# Altium PCB openservo_tessellated.PcbDoc (part 7 of 13)
Units mm, origin at the board's own origin, x right, y up, seen from the top; angles counter-clockwise.
Board outline 225 x 202.5 mm, 2 copper layers (Top Layer, Bottom Layer); 1250 components, 19 nets, 5300 pads, 1100 vias.
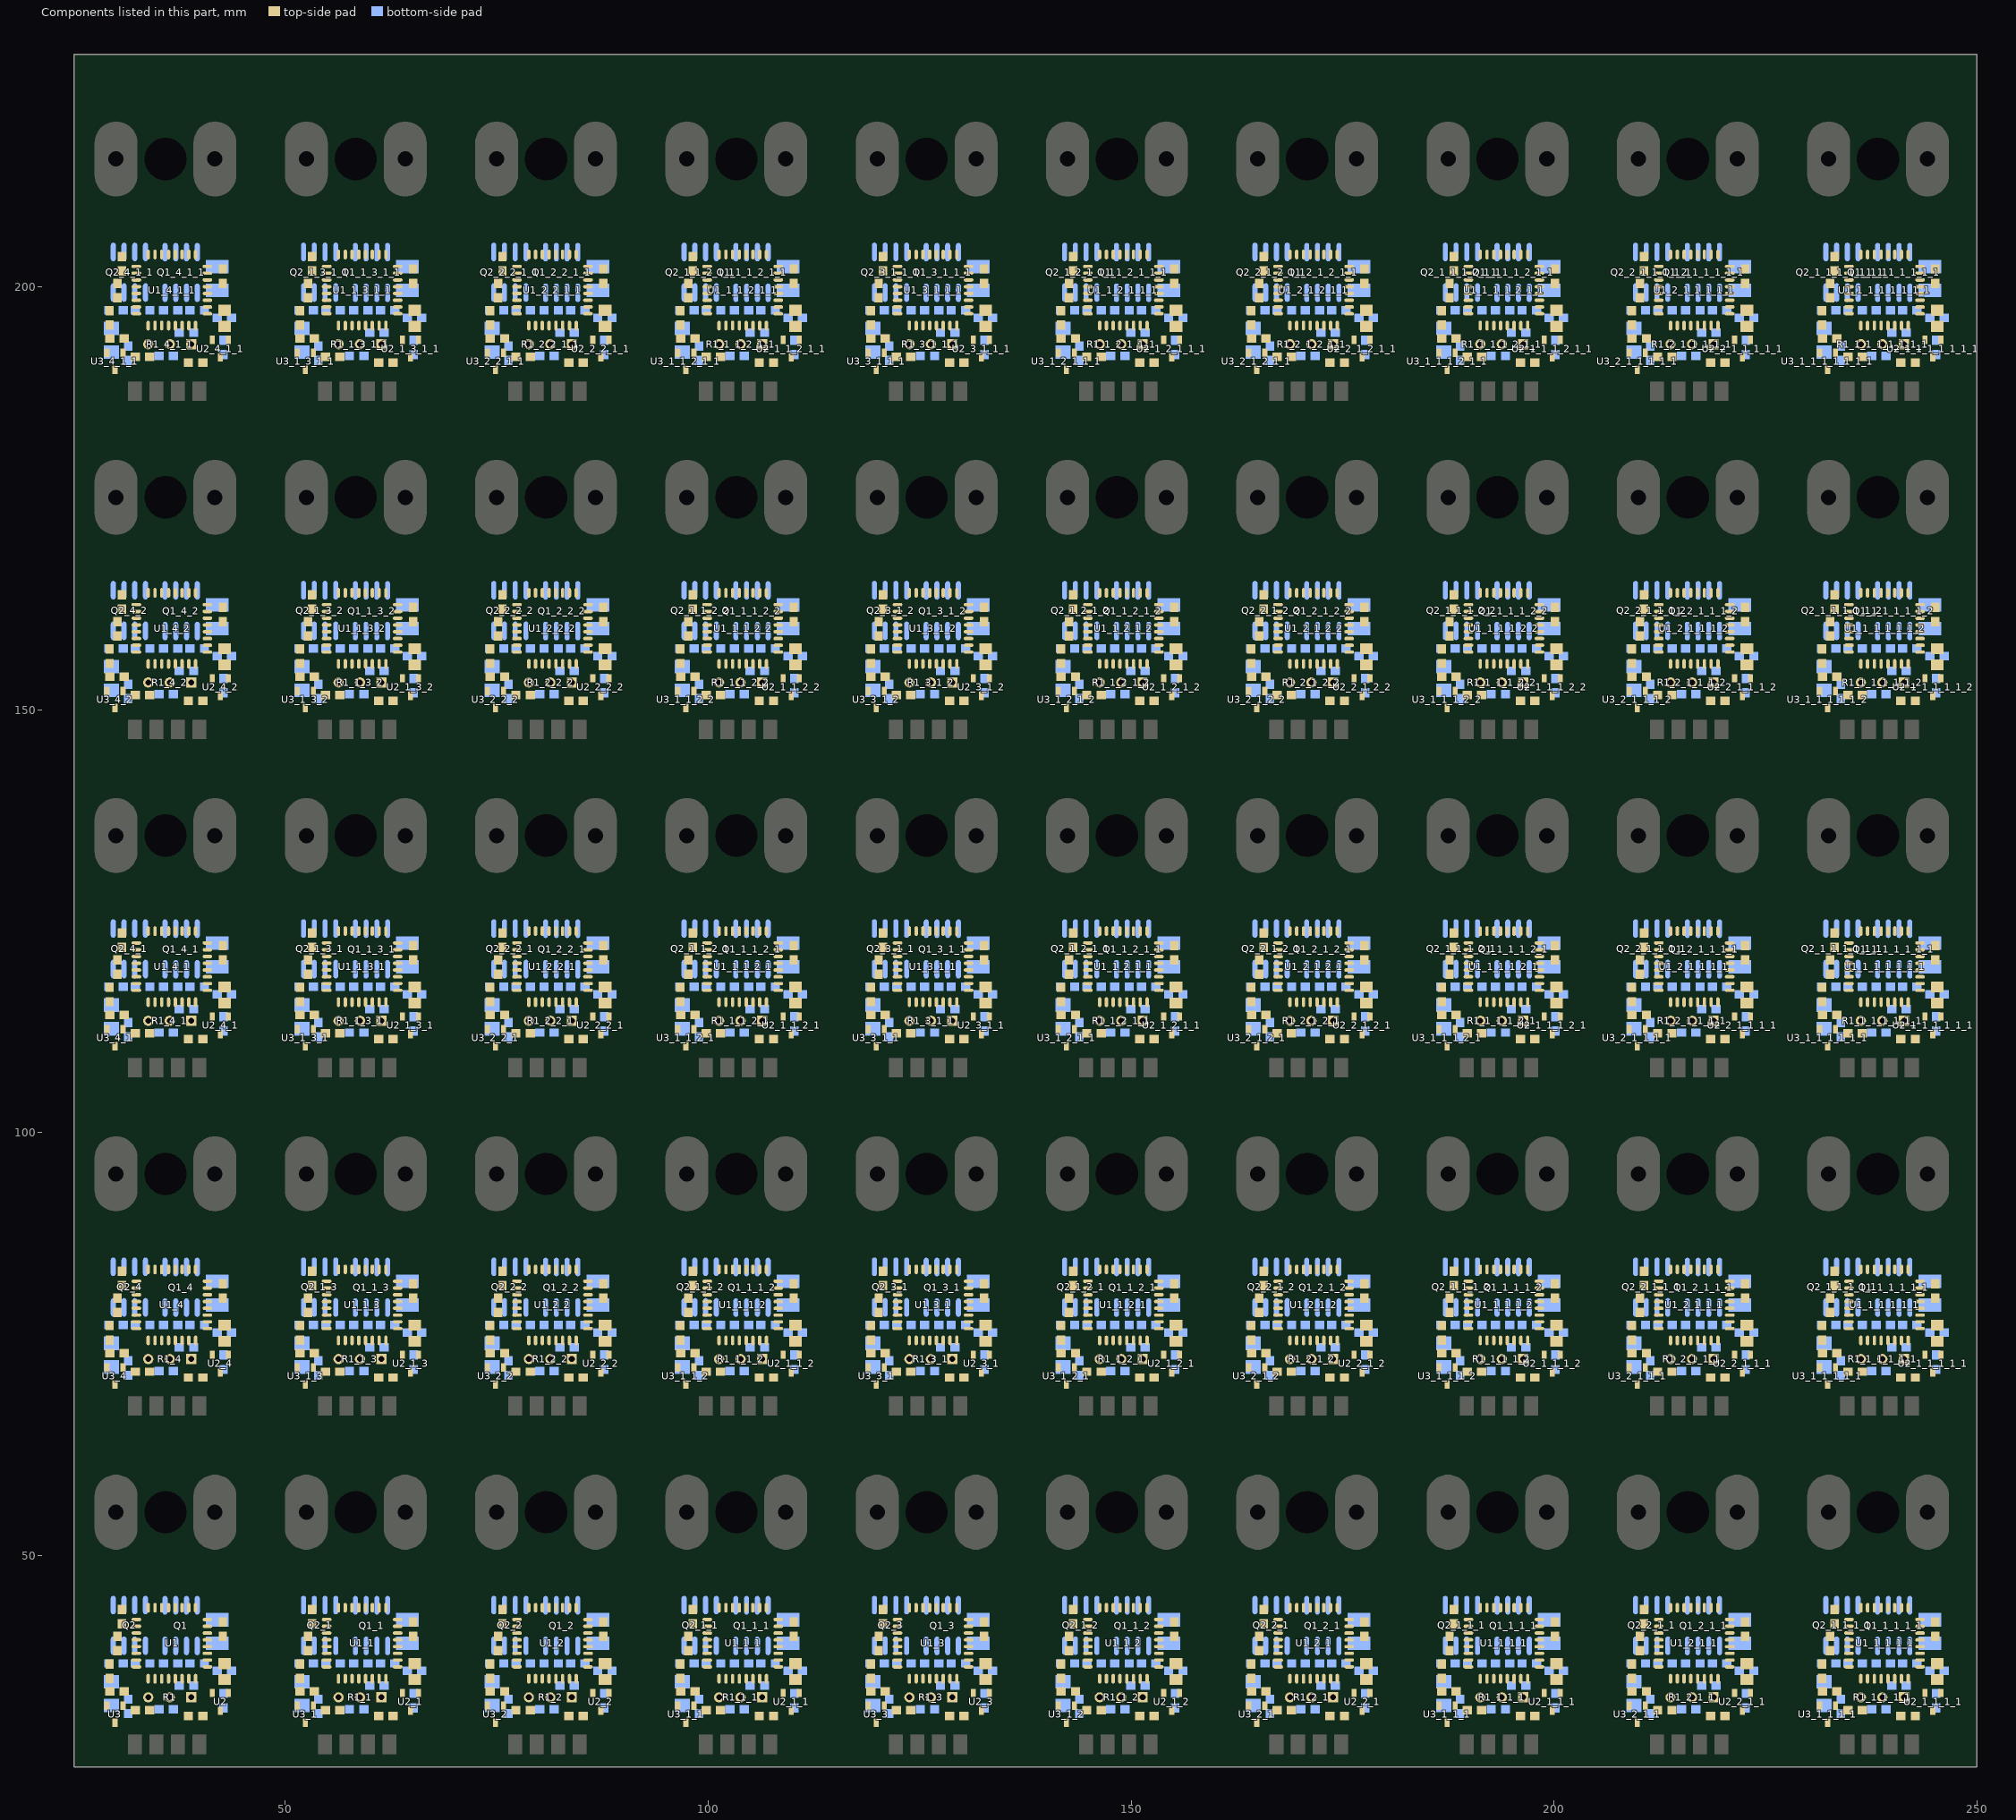
[diagram p7: the components of this part, seen from the top]

## Via types
v1: diameter 0.762, hole 0.35, Top Layer to Bottom Layer, 1000 vias
v2: diameter 1.27, hole 0.7, Top Layer to Bottom Layer, 100 vias

## Nets (pads, with @x,y where several pads share a name; then routed paths per layer and width w, separated by ;. In a path a pad name is that pad's centre, name@x,y a point inside that pad or via, vN(x,y) a via of type N, cw(c..) or ccw(c..) an arc to the next point about the centre after c; other vN are vias at no path point) (continued)
copper on no net: (continued)
  Top Layer w0.254: v1(118.854,201.935) 118.854,202.24 120.212,203.598 120.658,203.598 121.601,202.655 121.601,201.881 121.858,201.624 122.376,201.624 ; 119.21,35.472 119.503,35.472 121.655,37.624 122.376,37.624 ; 119.21,75.472 119.503,75.472 121.655,77.624 122.376,77.624 ; 119.21,115.472 119.503,115.472 121.655,117.624 122.376,117.624 ; 119.21,155.472 119.503,155.472 121.655,157.624 122.376,157.624 ; 119.21,195.472 119.503,195.472 121.655,197.624 122.376,197.624 ; 119.224,33.909 119.845,33.288 119.845,30.217 120.642,31.013 121.535,31.013 122.246,31.725 ; 119.224,73.909 119.845,73.288 119.845,70.217 120.642,71.013 121.535,71.013 122.246,71.725 ; 119.224,113.909 119.845,113.288 119.845,110.217 120.642,111.013 121.535,111.013 122.246,111.725 ; 119.224,153.909 119.845,153.288 119.845,150.217 120.642,151.013 121.535,151.013 122.246,151.725 ; 119.224,193.909 119.845,193.288 119.845,190.217 120.642,191.013 121.535,191.013 122.246,191.725 ; 119.513,35.624 121.076,34.061 ; 119.513,75.624 121.076,74.061 ; 119.513,115.624 121.076,114.061 ; 119.513,155.624 121.076,154.061 ; 119.513,195.624 121.076,194.061 ; 119.574,44.306 119.599,44.306 117.788,42.495 117.788,29.997 118.449,29.336 120.631,29.336 v1(120.963,29.667) ; 119.574,84.306 119.599,84.306 117.788,82.495 117.788,69.997 118.449,69.336 120.631,69.336 v1(120.963,69.667) ; 119.574,124.306 119.599,124.306 117.788,122.495 117.788,109.997 118.449,109.336 120.631,109.336 v1(120.963,109.667) ; 119.574,164.306 119.599,164.306 117.788,162.495 117.788,149.997 118.449,149.336 120.631,149.336 v1(120.963,149.667) ; 119.574,204.306 119.599,204.306 ; 119.599,44.306 119.822,44.529 123.071,44.529 123.776,43.824 ; 119.599,84.306 119.822,84.529 123.071,84.529 123.776,83.824 ; 119.599,124.306 119.822,124.529 123.071,124.529 123.776,123.824 ; 119.599,164.306 119.822,164.529 123.071,164.529 123.776,163.824 ; 120.15,38.723 120.24,38.723 121.54,40.024 122.376,40.024 ; 120.15,78.723 120.24,78.723 121.54,80.024 122.376,80.024 ; 120.15,118.723 120.24,118.723 121.54,120.024 122.376,120.024 ; 120.15,158.723 120.24,158.723 121.54,160.024 122.376,160.024 ; 120.15,198.723 120.24,198.723 121.54,200.024 122.376,200.024 ; 120.658,41.898 120.15,41.39 120.15,40.423 120.123,40.45 119.706,40.45 119.21,39.954 119.21,37.172 120.485,37.172 121.242,37.929 121.242,38.633 121.833,39.224 122.376,39.224 123.115,39.224 123.506,38.833 123.506,36.527 122.995,36.015 122.995,34.969 123.833,34.13 123.833,33.274 ; 120.658,81.898 120.15,81.39 120.15,80.423 120.123,80.45 119.706,80.45 119.21,79.954 119.21,77.172 120.485,77.172 121.242,77.929 121.242,78.633 121.833,79.224 122.376,79.224 123.115,79.224 123.506,78.833 123.506,76.527 122.995,76.015 122.995,74.969 123.833,74.13 123.833,73.274 ; 120.658,121.898 120.15,121.39 120.15,120.423 120.123,120.45 119.706,120.45 119.21,119.954 119.21,117.172 120.485,117.172 121.242,117.929 121.242,118.633 121.833,119.224 122.376,119.224 123.115,119.224 123.506,118.833 123.506,116.527 122.995,116.015 122.995,114.969 123.833,114.13 123.833,113.274 ; 120.658,161.898 120.15,161.39 120.15,160.423 120.123,160.45 119.706,160.45 119.21,159.954 119.21,157.172 120.485,157.172 121.242,157.929 121.242,158.633 121.833,159.224 122.376,159.224 123.115,159.224 123.506,158.833 123.506,156.527 122.995,156.015 122.995,154.969 123.833,154.13 123.833,153.274 ; 120.658,201.898 120.15,201.39 120.15,200.423 120.123,200.45 119.706,200.45 119.21,199.954 119.21,197.172 120.485,197.172 121.242,197.929 121.242,198.633 121.833,199.224 122.376,199.224 123.115,199.224 123.506,198.833 123.506,196.527 122.995,196.015 122.995,194.969 123.833,194.13 123.833,193.274 ; 120.795,32.217 121.099,32.217 121.855,32.972 121.855,34.947 v1(121.191,35.611) ; 120.795,72.217 121.099,72.217 121.855,72.972 121.855,74.947 v1(121.191,75.611) ; 120.795,112.217 121.099,112.217 121.855,112.972 121.855,114.947 v1(121.191,115.611) ; 120.795,152.217 121.099,152.217 121.855,152.972 121.855,154.947 v1(121.191,155.611) ; 120.795,192.217 121.099,192.217 121.855,192.972 121.855,194.947 v1(121.191,195.611) ; v1(120.963,189.667) 120.631,189.336 118.449,189.336 117.788,189.997 117.788,202.495 119.599,204.306 ; 122.182,27.661 122.182,28.09 125.341,31.249 125.341,33.63 125.535,33.823 125.535,34.919 125.376,35.077 125.376,35.424 ; 122.182,67.661 122.182,68.09 125.341,71.249 125.341,73.63 125.535,73.823 125.535,74.919 125.376,75.077 125.376,75.424 ; 122.182,107.661 122.182,108.09 125.341,111.249 125.341,113.63 125.535,113.823 125.535,114.919 125.376,115.077 125.376,115.424 ; 122.182,147.661 122.182,148.09 125.341,151.249 125.341,153.63 125.535,153.823 125.535,154.919 125.376,155.077 125.376,155.424 ; 122.182,187.661 122.182,188.09 125.341,191.249 125.341,193.63 125.535,193.823 125.535,194.919 125.376,195.077 125.376,195.424 ; 122.376,36.824 122.376,34.68 122.741,34.315 122.741,34.265 v1(122.639,34.163) ; 122.376,42.424 122.948,42.424 124.014,41.358 124.014,38.39 126.176,36.229 126.176,35.424 126.176,34.858 127.363,33.671 127.363,30.277 127.897,29.743 129.167,29.743 129.802,29.108 129.802,27.661 ; 122.376,76.824 122.376,74.68 122.741,74.315 122.741,74.265 v1(122.639,74.163) ; 122.376,82.424 122.948,82.424 124.014,81.358 124.014,78.39 126.176,76.229 126.176,75.424 126.176,74.858 127.363,73.671 127.363,70.277 127.897,69.743 129.167,69.743 129.802,69.108 129.802,67.661 ; 122.376,116.824 122.376,114.68 122.741,114.315 122.741,114.265 v1(122.639,114.163) ; 122.376,122.424 122.948,122.424 124.014,121.358 124.014,118.39 126.176,116.229 126.176,115.424 126.176,114.858 127.363,113.671 127.363,110.277 127.897,109.743 129.167,109.743 129.802,109.108 129.802,107.661 ; 122.376,156.824 122.376,154.68 122.741,154.315 122.741,154.265 v1(122.639,154.163) ; 122.376,162.424 122.948,162.424 124.014,161.358 124.014,158.39 126.176,156.229 126.176,155.424 126.176,154.858 127.363,153.671 127.363,150.277 127.897,149.743 129.167,149.743 129.802,149.108 129.802,147.661 ; 122.376,196.824 122.376,194.68 122.741,194.315 122.741,194.265 v1(122.639,194.163) ; 122.376,202.424 122.948,202.424 124.014,201.358 124.014,198.39 126.176,196.229 126.176,195.424 126.176,194.858 127.363,193.671 127.363,190.277 127.897,189.743 129.167,189.743 129.802,189.108 129.802,187.661 ; v1(122.512,30.201) 123.122,30.201 123.946,31.025 123.946,33.161 123.833,33.274 ; v1(122.512,70.201) 123.122,70.201 123.946,71.025 123.946,73.161 123.833,73.274 ; v1(122.512,110.201) 123.122,110.201 123.946,111.025 123.946,113.161 123.833,113.274 ; v1(122.512,150.201) 123.122,150.201 123.946,151.025 123.946,153.161 123.833,153.274 ; v1(122.512,190.201) 123.122,190.201 123.946,191.025 123.946,193.161 123.833,193.274 ; 123.757,33.35 123.833,33.274 ; 123.757,73.35 123.833,73.274 ; 123.757,113.35 123.833,113.274 ; 123.757,153.35 123.833,153.274 ; 123.757,193.35 123.833,193.274 ; 123.776,35.424 123.776,34.906 124.417,34.265 124.722,34.265 124.797,34.189 124.797,34.188 v1(124.773,34.163) ; 123.776,75.424 123.776,74.906 124.417,74.265 124.722,74.265 124.797,74.189 124.797,74.188 v1(124.773,74.163) ; 123.776,115.424 123.776,114.906 124.417,114.265 124.722,114.265 124.797,114.189 124.797,114.188 v1(124.773,114.163) ; 123.776,155.424 123.776,154.906 124.417,154.265 124.722,154.265 124.797,154.189 124.797,154.188 v1(124.773,154.163) ; 123.776,195.424 123.776,194.906 124.417,194.265 124.722,194.265 124.797,194.189 124.797,194.188 v1(124.773,194.163) ; 123.776,203.824 123.071,204.529 119.822,204.529 119.599,204.306 ; v1(124.106,42.376) 124.129,42.376 124.671,41.834 124.671,38.811 v1(124.798,38.811) ; v1(124.106,82.376) 124.129,82.376 124.671,81.834 124.671,78.811 v1(124.798,78.811) ; v1(124.106,122.376) 124.129,122.376 124.671,121.834 124.671,118.811 v1(124.798,118.811) ; v1(124.106,162.376) 124.129,162.376 124.671,161.834 124.671,158.811 v1(124.798,158.811) ; v1(124.106,202.376) 124.129,202.376 124.671,201.834 124.671,198.811 v1(124.798,198.811) ; 125.376,43.824 125.376,42.881 v1(126.347,41.91) ; 125.376,83.824 125.376,82.881 v1(126.347,81.91) ; 125.376,123.824 125.376,122.881 v1(126.347,121.91) ; 125.376,163.824 125.376,162.881 v1(126.347,161.91) ; 125.376,203.824 125.376,202.881 v1(126.347,201.91) ; v1@125.408,30.328 125.458,30.378 v1(125.611,30.378) ; v1@125.408,70.328 125.458,70.378 v1(125.611,70.378) ; v1@125.408,110.328 125.458,110.378 v1(125.611,110.378) ; v1@125.408,150.328 125.458,150.378 v1(125.611,150.378) ; v1@125.408,190.328 125.458,190.378 v1(125.611,190.378) ; 126.176,43.824 126.176,43.252 126.734,42.694 127.57,42.694 128.28,41.984 v1@128.28,41.148 ; 126.176,83.824 126.176,83.252 126.734,82.694 127.57,82.694 128.28,81.984 v1@128.28,81.148 ; 126.176,123.824 126.176,123.252 126.734,122.694 127.57,122.694 128.28,121.984 v1@128.28,121.148 ; 126.176,163.824 126.176,163.252 126.734,162.694 127.57,162.694 128.28,161.984 v1@128.28,161.148 ; 126.176,203.824 126.176,203.252 126.734,202.694 127.57,202.694 128.28,201.984 v1@128.28,201.148 ; 126.976,35.424 126.976,34.779 127.233,34.522 129.671,34.522 130.22,33.973 130.22,31.039 130.22,30.062 131.021,29.261 132.189,29.261 v1(133.053,30.124) ; 126.976,75.424 126.976,74.779 127.233,74.522 129.671,74.522 130.22,73.973 130.22,71.039 130.22,70.062 131.021,69.261 132.189,69.261 v1(133.053,70.124) ; 126.976,115.424 126.976,114.779 127.233,114.522 129.671,114.522 130.22,113.973 130.22,111.039 130.22,110.062 131.021,109.261 132.189,109.261 v1(133.053,110.124) ; 126.976,155.424 126.976,154.779 127.233,154.522 129.671,154.522 130.22,153.973 130.22,151.039 130.22,150.062 131.021,149.261 132.189,149.261 v1(133.053,150.124) ; 126.976,195.424 126.976,194.779 127.233,194.522 129.671,194.522 130.22,193.973 130.22,191.039 130.22,190.062 131.021,189.261 132.189,189.261 v1(133.053,190.124) ; 128.52,31.039 128.52,33.034 128.837,33.35 ; 128.52,71.039 128.52,73.034 128.837,73.35 ; 128.52,111.039 128.52,113.034 128.837,113.35 ; 128.52,151.039 128.52,153.034 128.837,153.35 ; 128.52,191.039 128.52,193.034 128.837,193.35 ; v1(130.538,35.585) 130.869,35.585 132.504,37.221 132.799,37.221 ; v1(130.538,75.585) 130.869,75.585 132.504,77.221 132.799,77.221 ; v1(130.538,115.585) 130.869,115.585 132.504,117.221 132.799,117.221 ; v1(130.538,155.585) 130.869,155.585 132.504,157.221 132.799,157.221 ; v1(130.538,195.585) 130.869,195.585 132.504,197.221 132.799,197.221 ; 130.744,40.056 130.776,40.024 129.395,40.024 ; 130.744,80.056 130.776,80.024 129.395,80.024 ; 130.744,120.056 130.776,120.024 129.395,120.024 ; 130.744,160.056 130.776,160.024 129.395,160.024 ; 130.744,200.056 130.776,200.024 129.395,200.024 ; 130.776,38.424 129.732,38.424 129.395,38.76 129.395,40.024 ; 130.776,39.224 132.78,39.224 ; 130.776,40.824 132.197,40.824 132.596,40.425 132.799,40.222 ; 130.776,78.424 129.732,78.424 129.395,78.76 129.395,80.024 ; 130.776,79.224 132.78,79.224 ; 130.776,80.824 132.197,80.824 132.596,80.425 132.799,80.222 ; 130.776,118.424 129.732,118.424 129.395,118.76 129.395,120.024 ; 130.776,119.224 132.78,119.224 ; 130.776,120.824 132.197,120.824 132.596,120.425 132.799,120.222 ; 130.776,158.424 129.732,158.424 129.395,158.76 129.395,160.024 ; 130.776,159.224 132.78,159.224 ; 130.776,160.824 132.197,160.824 132.596,160.425 132.799,160.222 ; 130.776,198.424 129.732,198.424 129.395,198.76 129.395,200.024 ; 130.776,199.224 132.78,199.224 ; 130.776,200.824 132.197,200.824 132.596,200.425 132.799,200.222 ; 131.554,55.016 131.656,55.118 ; 131.554,95.016 131.656,95.118 ; 131.554,135.016 131.656,135.118 ; 131.554,175.016 131.656,175.118 ; 131.554,215.016 131.656,215.118 ; 133.241,33.74 133.241,34.879 ; 133.241,73.74 133.241,74.879 ; 133.241,113.74 133.241,114.879 ; 133.241,153.74 133.241,154.879 ; 133.241,193.74 133.241,194.879 ; v1(133.917,43.866) 130.846,43.866 129.395,42.416 129.395,40.024 ; v1(133.917,83.866) 130.846,83.866 129.395,82.416 129.395,80.024 ; v1(133.917,123.866) 130.846,123.866 129.395,122.416 129.395,120.024 ; v1(133.917,163.866) 130.846,163.866 129.395,162.416 129.395,160.024 ; v1(133.917,203.866) 130.846,203.866 129.395,202.416 129.395,200.024 ; v1(140.313,43.764) 140.618,43.764 141.891,45.037 146.431,45.037 147.076,44.393 147.076,43.824 ; v1(140.313,83.764) 140.618,83.764 141.891,85.037 146.431,85.037 147.076,84.393 147.076,83.824 ; v1(140.313,123.764) 140.618,123.764 141.891,125.037 146.431,125.037 147.076,124.393 147.076,123.824 ; v1(140.313,163.764) 140.618,163.764 141.891,165.037 146.431,165.037 147.076,164.393 147.076,163.824 ; v1(140.313,203.764) 140.618,203.764 141.891,205.037 146.431,205.037 147.076,204.393 147.076,203.824 ; v1(141.354,41.935) 141.354,42.24 142.712,43.598 143.158,43.598 144.101,42.655 144.101,41.881 144.358,41.624 144.876,41.624 ; v1(141.354,81.935) 141.354,82.24 142.712,83.598 143.158,83.598 144.101,82.655 144.101,81.881 144.358,81.624 144.876,81.624 ; v1(141.354,121.935) 141.354,122.24 142.712,123.598 143.158,123.598 144.101,122.655 144.101,121.881 144.358,121.624 144.876,121.624 ; v1(141.354,161.935) 141.354,162.24 142.712,163.598 143.158,163.598 144.101,162.655 144.101,161.881 144.358,161.624 144.876,161.624 ; v1(141.354,201.935) 141.354,202.24 142.712,203.598 143.158,203.598 144.101,202.655 144.101,201.881 144.358,201.624 144.876,201.624 ; 141.71,35.472 142.003,35.472 144.155,37.624 144.876,37.624 ; 141.71,75.472 142.003,75.472 144.155,77.624 144.876,77.624 ; 141.71,115.472 142.003,115.472 144.155,117.624 144.876,117.624 ; 141.71,155.472 142.003,155.472 144.155,157.624 144.876,157.624 ; 141.71,195.472 142.003,195.472 144.155,197.624 144.876,197.624 ; 141.724,33.909 142.345,33.288 142.345,30.217 143.142,31.013 144.035,31.013 144.746,31.725 ; 141.724,73.909 142.345,73.288 142.345,70.217 143.142,71.013 144.035,71.013 144.746,71.725 ; 141.724,113.909 142.345,113.288 142.345,110.217 143.142,111.013 144.035,111.013 144.746,111.725 ; 141.724,153.909 142.345,153.288 142.345,150.217 143.142,151.013 144.035,151.013 144.746,151.725 ; 141.724,193.909 142.345,193.288 142.345,190.217 143.142,191.013 144.035,191.013 144.746,191.725 ; 142.013,35.624 143.576,34.061 ; 142.013,75.624 143.576,74.061 ; 142.013,115.624 143.576,114.061 ; 142.013,155.624 143.576,154.061 ; 142.013,195.624 143.576,194.061 ; 142.074,44.306 142.099,44.306 140.288,42.495 140.288,29.997 140.949,29.336 143.131,29.336 v1(143.463,29.667) ; 142.074,84.306 142.099,84.306 140.288,82.495 140.288,69.997 140.949,69.336 143.131,69.336 v1(143.463,69.667) ; 142.074,124.306 142.099,124.306 140.288,122.495 140.288,109.997 140.949,109.336 143.131,109.336 v1(143.463,109.667) ; 142.074,164.306 142.099,164.306 140.288,162.495 140.288,149.997 140.949,149.336 143.131,149.336 v1(143.463,149.667) ; 142.074,204.306 142.099,204.306 ; 142.099,44.306 142.322,44.529 145.571,44.529 146.276,43.824 ; 142.099,84.306 142.322,84.529 145.571,84.529 146.276,83.824 ; 142.099,124.306 142.322,124.529 145.571,124.529 146.276,123.824 ; 142.099,164.306 142.322,164.529 145.571,164.529 146.276,163.824 ; 142.65,38.723 142.74,38.723 144.04,40.024 144.876,40.024 ; 142.65,78.723 142.74,78.723 144.04,80.024 144.876,80.024 ; 142.65,118.723 142.74,118.723 144.04,120.024 144.876,120.024 ; 142.65,158.723 142.74,158.723 144.04,160.024 144.876,160.024 ; 142.65,198.723 142.74,198.723 144.04,200.024 144.876,200.024 ; 143.158,41.898 142.65,41.39 142.65,40.423 142.623,40.45 142.206,40.45 141.71,39.954 141.71,37.172 142.985,37.172 143.742,37.929 143.742,38.633 144.333,39.224 144.876,39.224 145.615,39.224 146.006,38.833 146.006,36.527 145.495,36.015 145.495,34.969 146.333,34.13 146.333,33.274 ; 143.158,81.898 142.65,81.39 142.65,80.423 142.623,80.45 142.206,80.45 141.71,79.954 141.71,77.172 142.985,77.172 143.742,77.929 143.742,78.633 144.333,79.224 144.876,79.224 145.615,79.224 146.006,78.833 146.006,76.527 145.495,76.015 145.495,74.969 146.333,74.13 146.333,73.274 ; 143.158,121.898 142.65,121.39 142.65,120.423 142.623,120.45 142.206,120.45 141.71,119.954 141.71,117.172 142.985,117.172 143.742,117.929 143.742,118.633 144.333,119.224 144.876,119.224 145.615,119.224 146.006,118.833 146.006,116.527 145.495,116.015 145.495,114.969 146.333,114.13 146.333,113.274 ; 143.158,161.898 142.65,161.39 142.65,160.423 142.623,160.45 142.206,160.45 141.71,159.954 141.71,157.172 142.985,157.172 143.742,157.929 143.742,158.633 144.333,159.224 144.876,159.224 145.615,159.224 146.006,158.833 146.006,156.527 145.495,156.015 145.495,154.969 146.333,154.13 146.333,153.274 ; 143.158,201.898 142.65,201.39 142.65,200.423 142.623,200.45 142.206,200.45 141.71,199.954 141.71,197.172 142.985,197.172 143.742,197.929 143.742,198.633 144.333,199.224 144.876,199.224 145.615,199.224 146.006,198.833 146.006,196.527 145.495,196.015 145.495,194.969 146.333,194.13 146.333,193.274 ; 143.295,32.217 143.599,32.217 144.355,32.972 144.355,34.947 v1(143.691,35.611) ; 143.295,72.217 143.599,72.217 144.355,72.972 144.355,74.947 v1(143.691,75.611) ; 143.295,112.217 143.599,112.217 144.355,112.972 144.355,114.947 v1(143.691,115.611) ; 143.295,152.217 143.599,152.217 144.355,152.972 144.355,154.947 v1(143.691,155.611) ; 143.295,192.217 143.599,192.217 144.355,192.972 144.355,194.947 v1(143.691,195.611) ; v1(143.463,189.667) 143.131,189.336 140.949,189.336 140.288,189.997 140.288,202.495 142.099,204.306 ; 144.682,27.661 144.682,28.09 147.841,31.249 147.841,33.63 148.035,33.823 148.035,34.919 147.876,35.077 147.876,35.424 ; 144.682,67.661 144.682,68.09 147.841,71.249 147.841,73.63 148.035,73.823 148.035,74.919 147.876,75.077 147.876,75.424 ; 144.682,107.661 144.682,108.09 147.841,111.249 147.841,113.63 148.035,113.823 148.035,114.919 147.876,115.077 147.876,115.424 ; 144.682,147.661 144.682,148.09 147.841,151.249 147.841,153.63 148.035,153.823 148.035,154.919 147.876,155.077 147.876,155.424 ; 144.682,187.661 144.682,188.09 147.841,191.249 147.841,193.63 148.035,193.823 148.035,194.919 147.876,195.077 147.876,195.424 ; 144.876,36.824 144.876,34.68 145.241,34.315 145.241,34.265 v1(145.139,34.163) ; 144.876,42.424 145.448,42.424 146.514,41.358 146.514,38.39 148.676,36.229 148.676,35.424 148.676,34.858 149.863,33.671 149.863,30.277 150.397,29.743 151.667,29.743 152.302,29.108 152.302,27.661 ; 144.876,76.824 144.876,74.68 145.241,74.315 145.241,74.265 v1(145.139,74.163) ; 144.876,82.424 145.448,82.424 146.514,81.358 146.514,78.39 148.676,76.229 148.676,75.424 148.676,74.858 149.863,73.671 149.863,70.277 150.397,69.743 151.667,69.743 152.302,69.108 152.302,67.661 ; 144.876,116.824 144.876,114.68 145.241,114.315 145.241,114.265 v1(145.139,114.163) ; 144.876,122.424 145.448,122.424 146.514,121.358 146.514,118.39 148.676,116.229 148.676,115.424 148.676,114.858 149.863,113.671 149.863,110.277 150.397,109.743 151.667,109.743 152.302,109.108 152.302,107.661 ; 144.876,156.824 144.876,154.68 145.241,154.315 145.241,154.265 v1(145.139,154.163) ; 144.876,162.424 145.448,162.424 146.514,161.358 146.514,158.39 148.676,156.229 148.676,155.424 148.676,154.858 149.863,153.671 149.863,150.277 150.397,149.743 151.667,149.743 152.302,149.108 152.302,147.661 ; 144.876,196.824 144.876,194.68 145.241,194.315 145.241,194.265 v1(145.139,194.163) ; 144.876,202.424 145.448,202.424 146.514,201.358 146.514,198.39 148.676,196.229 148.676,195.424 148.676,194.858 149.863,193.671 149.863,190.277 150.397,189.743 151.667,189.743 152.302,189.108 152.302,187.661 ; v1(145.012,30.201) 145.622,30.201 146.446,31.025 146.446,33.161 146.333,33.274 ; v1(145.012,70.201) 145.622,70.201 146.446,71.025 146.446,73.161 146.333,73.274 ; v1(145.012,110.201) 145.622,110.201 146.446,111.025 146.446,113.161 146.333,113.274 ; v1(145.012,150.201) 145.622,150.201 146.446,151.025 146.446,153.161 146.333,153.274 ; v1(145.012,190.201) 145.622,190.201 146.446,191.025 146.446,193.161 146.333,193.274 ; 146.257,33.35 146.333,33.274 ; 146.257,73.35 146.333,73.274 ; 146.257,113.35 146.333,113.274 ; 146.257,153.35 146.333,153.274 ; 146.257,193.35 146.333,193.274 ; 146.276,35.424 146.276,34.906 146.917,34.265 147.222,34.265 147.297,34.189 147.297,34.188 v1(147.273,34.163) ; 146.276,75.424 146.276,74.906 146.917,74.265 147.222,74.265 147.297,74.189 147.297,74.188 v1(147.273,74.163) ; 146.276,115.424 146.276,114.906 146.917,114.265 147.222,114.265 147.297,114.189 147.297,114.188 v1(147.273,114.163) ; 146.276,155.424 146.276,154.906 146.917,154.265 147.222,154.265 147.297,154.189 147.297,154.188 v1(147.273,154.163) ; 146.276,195.424 146.276,194.906 146.917,194.265 147.222,194.265 147.297,194.189 147.297,194.188 v1(147.273,194.163) ; 146.276,203.824 145.571,204.529 142.322,204.529 142.099,204.306 ; v1(146.606,42.376) 146.629,42.376 147.171,41.834 147.171,38.811 v1(147.298,38.811) ; v1(146.606,82.376) 146.629,82.376 147.171,81.834 147.171,78.811 v1(147.298,78.811) ; v1(146.606,122.376) 146.629,122.376 147.171,121.834 147.171,118.811 v1(147.298,118.811) ; v1(146.606,162.376) 146.629,162.376 147.171,161.834 147.171,158.811 v1(147.298,158.811) ; v1(146.606,202.376) 146.629,202.376 147.171,201.834 147.171,198.811 v1(147.298,198.811) ; 147.876,43.824 147.876,42.881 v1(148.847,41.91) ; 147.876,83.824 147.876,82.881 v1(148.847,81.91) ; 147.876,123.824 147.876,122.881 v1(148.847,121.91) ; 147.876,163.824 147.876,162.881 v1(148.847,161.91) ; 147.876,203.824 147.876,202.881 v1(148.847,201.91) ; v1@147.908,30.328 147.958,30.378 v1(148.111,30.378) ; v1@147.908,70.328 147.958,70.378 v1(148.111,70.378) ; v1@147.908,110.328 147.958,110.378 v1(148.111,110.378) ; v1@147.908,150.328 147.958,150.378 v1(148.111,150.378) ; v1@147.908,190.328 147.958,190.378 v1(148.111,190.378) ; 148.676,43.824 148.676,43.252 149.234,42.694 150.07,42.694 150.78,41.984 v1@150.78,41.148 ; 148.676,83.824 148.676,83.252 149.234,82.694 150.07,82.694 150.78,81.984 v1@150.78,81.148 ; 148.676,123.824 148.676,123.252 149.234,122.694 150.07,122.694 150.78,121.984 v1@150.78,121.148 ; 148.676,163.824 148.676,163.252 149.234,162.694 150.07,162.694 150.78,161.984 v1@150.78,161.148 ; 148.676,203.824 148.676,203.252 149.234,202.694 150.07,202.694 150.78,201.984 v1@150.78,201.148 ; 149.476,35.424 149.476,34.779 149.733,34.522 152.171,34.522 152.72,33.973 152.72,31.039 152.72,30.062 153.521,29.261 154.689,29.261 v1(155.553,30.124) ; 149.476,75.424 149.476,74.779 149.733,74.522 152.171,74.522 152.72,73.973 152.72,71.039 152.72,70.062 153.521,69.261 154.689,69.261 v1(155.553,70.124) ; 149.476,115.424 149.476,114.779 149.733,114.522 152.171,114.522 152.72,113.973 152.72,111.039 152.72,110.062 153.521,109.261 154.689,109.261 v1(155.553,110.124) ; 149.476,155.424 149.476,154.779 149.733,154.522 152.171,154.522 152.72,153.973 152.72,151.039 152.72,150.062 153.521,149.261 154.689,149.261 v1(155.553,150.124) ; 149.476,195.424 149.476,194.779 149.733,194.522 152.171,194.522 152.72,193.973 152.72,191.039 152.72,190.062 153.521,189.261 154.689,189.261 v1(155.553,190.124) ; 151.02,31.039 151.02,33.034 151.337,33.35 ; 151.02,71.039 151.02,73.034 151.337,73.35 ; 151.02,111.039 151.02,113.034 151.337,113.35 ; 151.02,151.039 151.02,153.034 151.337,153.35 ; 151.02,191.039 151.02,193.034 151.337,193.35 ; v1(153.038,35.585) 153.369,35.585 155.004,37.221 155.299,37.221 ; v1(153.038,75.585) 153.369,75.585 155.004,77.221 155.299,77.221 ; v1(153.038,115.585) 153.369,115.585 155.004,117.221 155.299,117.221 ; v1(153.038,155.585) 153.369,155.585 155.004,157.221 155.299,157.221 ; v1(153.038,195.585) 153.369,195.585 155.004,197.221 155.299,197.221 ; 153.244,40.056 153.276,40.024 151.895,40.024 ; 153.244,80.056 153.276,80.024 151.895,80.024 ; 153.244,120.056 153.276,120.024 151.895,120.024 ; 153.244,160.056 153.276,160.024 151.895,160.024 ; 153.244,200.056 153.276,200.024 151.895,200.024 ; 153.276,38.424 152.232,38.424 151.895,38.76 151.895,40.024 ; 153.276,39.224 155.28,39.224 ; 153.276,40.824 154.697,40.824 155.096,40.425 155.299,40.222 ; 153.276,78.424 152.232,78.424 151.895,78.76 151.895,80.024 ; 153.276,79.224 155.28,79.224 ; 153.276,80.824 154.697,80.824 155.096,80.425 155.299,80.222 ; 153.276,118.424 152.232,118.424 151.895,118.76 151.895,120.024 ; 153.276,119.224 155.28,119.224 ; 153.276,120.824 154.697,120.824 155.096,120.425 155.299,120.222 ; 153.276,158.424 152.232,158.424 151.895,158.76 151.895,160.024 ; 153.276,159.224 155.28,159.224 ; 153.276,160.824 154.697,160.824 155.096,160.425 155.299,160.222 ; 153.276,198.424 152.232,198.424 151.895,198.76 151.895,200.024 ; 153.276,199.224 155.28,199.224 ; 153.276,200.824 154.697,200.824 155.096,200.425 155.299,200.222 ; 154.054,55.016 154.156,55.118 ; 154.054,95.016 154.156,95.118 ; 154.054,135.016 154.156,135.118 ; 154.054,175.016 154.156,175.118 ; 154.054,215.016 154.156,215.118 ; 155.741,33.74 155.741,34.879 ; 155.741,73.74 155.741,74.879 ; 155.741,113.74 155.741,114.879 ; 155.741,153.74 155.741,154.879 ; 155.741,193.74 155.741,194.879 ; v1(156.417,43.866) 153.346,43.866 151.895,42.416 151.895,40.024 ; v1(156.417,83.866) 153.346,83.866 151.895,82.416 151.895,80.024 ; v1(156.417,123.866) 153.346,123.866 151.895,122.416 151.895,120.024 ; v1(156.417,163.866) 153.346,163.866 151.895,162.416 151.895,160.024 ; v1(156.417,203.866) 153.346,203.866 151.895,202.416 151.895,200.024 ; v1(162.813,43.764) 163.118,43.764 164.391,45.037 168.931,45.037 169.576,44.393 169.576,43.824 ; v1(162.813,83.764) 163.118,83.764 164.391,85.037 168.931,85.037 169.576,84.393 169.576,83.824 ; v1(162.813,123.764) 163.118,123.764 164.391,125.037 168.931,125.037 169.576,124.393 169.576,123.824 ; v1(162.813,163.764) 163.118,163.764 164.391,165.037 168.931,165.037 169.576,164.393 169.576,163.824 ; v1(162.813,203.764) 163.118,203.764 164.391,205.037 168.931,205.037 169.576,204.393 169.576,203.824 ; v1(163.854,41.935) 163.854,42.24 165.212,43.598 165.658,43.598 166.601,42.655 166.601,41.881 166.858,41.624 167.376,41.624 ; v1(163.854,81.935) 163.854,82.24 165.212,83.598 165.658,83.598 166.601,82.655 166.601,81.881 166.858,81.624 167.376,81.624 ; v1(163.854,121.935) 163.854,122.24 165.212,123.598 165.658,123.598 166.601,122.655 166.601,121.881 166.858,121.624 167.376,121.624 ; v1(163.854,161.935) 163.854,162.24 165.212,163.598 165.658,163.598 166.601,162.655 166.601,161.881 166.858,161.624 167.376,161.624 ; v1(163.854,201.935) 163.854,202.24 165.212,203.598 165.658,203.598 166.601,202.655 166.601,201.881 166.858,201.624 167.376,201.624 ; 164.21,35.472 164.503,35.472 166.655,37.624 167.376,37.624 ; 164.21,75.472 164.503,75.472 166.655,77.624 167.376,77.624 ; 164.21,115.472 164.503,115.472 166.655,117.624 167.376,117.624 ; 164.21,155.472 164.503,155.472 166.655,157.624 167.376,157.624 ; 164.21,195.472 164.503,195.472 166.655,197.624 167.376,197.624 ; 164.224,33.909 164.845,33.288 164.845,30.217 165.642,31.013 166.535,31.013 167.246,31.725 ; 164.224,73.909 164.845,73.288 164.845,70.217 165.642,71.013 166.535,71.013 167.246,71.725 ; 164.224,113.909 164.845,113.288 164.845,110.217 165.642,111.013 166.535,111.013 167.246,111.725 ; 164.224,153.909 164.845,153.288 164.845,150.217 165.642,151.013 166.535,151.013 167.246,151.725 ; 164.224,193.909 164.845,193.288 164.845,190.217 165.642,191.013 166.535,191.013 167.246,191.725 ; 164.513,35.624 166.076,34.061 ; 164.513,75.624 166.076,74.061 ; 164.513,115.624 166.076,114.061 ; 164.513,155.624 166.076,154.061 ; 164.513,195.624 166.076,194.061 ; 164.574,44.306 164.599,44.306 162.788,42.495 162.788,29.997 163.449,29.336 165.631,29.336 v1(165.963,29.667) ; 164.574,84.306 164.599,84.306 162.788,82.495 162.788,69.997 163.449,69.336 165.631,69.336 v1(165.963,69.667) ; 164.574,124.306 164.599,124.306 162.788,122.495 162.788,109.997 163.449,109.336 165.631,109.336 v1(165.963,109.667) ; 164.574,164.306 164.599,164.306 162.788,162.495 162.788,149.997 163.449,149.336 165.631,149.336 v1(165.963,149.667) ; 164.574,204.306 164.599,204.306 162.788,202.495 162.788,189.997 163.449,189.336 165.631,189.336 v1(165.963,189.667) ; 164.599,44.306 164.822,44.529 168.071,44.529 168.776,43.824 ; 164.599,84.306 164.822,84.529 168.071,84.529 168.776,83.824 ; 164.599,124.306 164.822,124.529 168.071,124.529 168.776,123.824 ; 164.599,164.306 164.822,164.529 168.071,164.529 168.776,163.824 ; 164.599,204.306 164.822,204.529 168.071,204.529 168.776,203.824 ; 165.15,38.723 165.24,38.723 166.54,40.024 167.376,40.024 ; 165.15,78.723 165.24,78.723 166.54,80.024 167.376,80.024 ; 165.15,118.723 165.24,118.723 166.54,120.024 167.376,120.024 ; 165.15,158.723 165.24,158.723 166.54,160.024 167.376,160.024 ; 165.15,198.723 165.24,198.723 166.54,200.024 167.376,200.024 ; 165.658,41.898 165.15,41.39 165.15,40.423 165.123,40.45 164.706,40.45 164.21,39.954 164.21,37.172 165.485,37.172 166.242,37.929 166.242,38.633 166.833,39.224 167.376,39.224 168.115,39.224 168.506,38.833 168.506,36.527 167.995,36.015 167.995,34.969 168.833,34.13 168.833,33.274 ; 165.658,81.898 165.15,81.39 165.15,80.423 165.123,80.45 164.706,80.45 164.21,79.954 164.21,77.172 165.485,77.172 166.242,77.929 166.242,78.633 166.833,79.224 167.376,79.224 168.115,79.224 168.506,78.833 168.506,76.527 167.995,76.015 167.995,74.969 168.833,74.13 168.833,73.274 ; 165.658,121.898 165.15,121.39 165.15,120.423 165.123,120.45 164.706,120.45 164.21,119.954 164.21,117.172 165.485,117.172 166.242,117.929 166.242,118.633 166.833,119.224 167.376,119.224 168.115,119.224 168.506,118.833 168.506,116.527 167.995,116.015 167.995,114.969 168.833,114.13 168.833,113.274 ; 165.658,161.898 165.15,161.39 165.15,160.423 165.123,160.45 164.706,160.45 164.21,159.954 164.21,157.172 165.485,157.172 166.242,157.929 166.242,158.633 166.833,159.224 167.376,159.224 168.115,159.224 168.506,158.833 168.506,156.527 167.995,156.015 167.995,154.969 168.833,154.13 168.833,153.274 ; 165.658,201.898 165.15,201.39 165.15,200.423 165.123,200.45 164.706,200.45 164.21,199.954 164.21,197.172 165.485,197.172 166.242,197.929 166.242,198.633 166.833,199.224 167.376,199.224 168.115,199.224 168.506,198.833 168.506,196.527 167.995,196.015 167.995,194.969 168.833,194.13 168.833,193.274 ; 165.795,32.217 166.099,32.217 166.855,32.972 166.855,34.947 v1(166.191,35.611) ; 165.795,72.217 166.099,72.217 166.855,72.972 166.855,74.947 v1(166.191,75.611) ; 165.795,112.217 166.099,112.217 166.855,112.972 166.855,114.947 v1(166.191,115.611) ; 165.795,152.217 166.099,152.217 166.855,152.972 166.855,154.947 v1(166.191,155.611) ; 165.795,192.217 166.099,192.217 166.855,192.972 166.855,194.947 v1(166.191,195.611) ; 167.182,27.661 167.182,28.09 170.341,31.249 170.341,33.63 170.535,33.823 170.535,34.919 170.376,35.077 170.376,35.424 ; 167.182,67.661 167.182,68.09 170.341,71.249 170.341,73.63 170.535,73.823 170.535,74.919 170.376,75.077 170.376,75.424 ; 167.182,107.661 167.182,108.09 170.341,111.249 170.341,113.63 170.535,113.823 170.535,114.919 170.376,115.077 170.376,115.424 ; 167.182,147.661 167.182,148.09 170.341,151.249 170.341,153.63 170.535,153.823 170.535,154.919 170.376,155.077 170.376,155.424 ; 167.182,187.661 167.182,188.09 170.341,191.249 170.341,193.63 170.535,193.823 170.535,194.919 170.376,195.077 170.376,195.424 ; 167.376,36.824 167.376,34.68 167.741,34.315 167.741,34.265 v1(167.639,34.163) ; 167.376,42.424 167.948,42.424 169.014,41.358 169.014,38.39 171.176,36.229 171.176,35.424 171.176,34.858 172.363,33.671 172.363,30.277 172.897,29.743 174.167,29.743 174.802,29.108 174.802,27.661 ; 167.376,76.824 167.376,74.68 167.741,74.315 167.741,74.265 v1(167.639,74.163) ; 167.376,82.424 167.948,82.424 169.014,81.358 169.014,78.39 171.176,76.229 171.176,75.424 171.176,74.858 172.363,73.671 172.363,70.277 172.897,69.743 174.167,69.743 174.802,69.108 174.802,67.661 ; 167.376,116.824 167.376,114.68 167.741,114.315 167.741,114.265 v1(167.639,114.163) ; 167.376,122.424 167.948,122.424 169.014,121.358 169.014,118.39 171.176,116.229 171.176,115.424 171.176,114.858 172.363,113.671 172.363,110.277 172.897,109.743 174.167,109.743 174.802,109.108 174.802,107.661 ; 167.376,156.824 167.376,154.68 167.741,154.315 167.741,154.265 v1(167.639,154.163) ; 167.376,162.424 167.948,162.424 169.014,161.358 169.014,158.39 171.176,156.229 171.176,155.424 171.176,154.858 172.363,153.671 172.363,150.277 172.897,149.743 174.167,149.743 174.802,149.108 174.802,147.661 ; 167.376,196.824 167.376,194.68 167.741,194.315 167.741,194.265 v1(167.639,194.163) ; 167.376,202.424 167.948,202.424 169.014,201.358 169.014,198.39 171.176,196.229 171.176,195.424 171.176,194.858 172.363,193.671 172.363,190.277 172.897,189.743 174.167,189.743 174.802,189.108 174.802,187.661 ; v1(167.512,30.201) 168.122,30.201 168.946,31.025 168.946,33.161 168.833,33.274 ; v1(167.512,70.201) 168.122,70.201 168.946,71.025 168.946,73.161 168.833,73.274 ; v1(167.512,110.201) 168.122,110.201 168.946,111.025 168.946,113.161 168.833,113.274 ; v1(167.512,150.201) 168.122,150.201 168.946,151.025 168.946,153.161 168.833,153.274 ; v1(167.512,190.201) 168.122,190.201 168.946,191.025 168.946,193.161 168.833,193.274 ; 168.757,33.35 168.833,33.274 ; 168.757,73.35 168.833,73.274 ; 168.757,113.35 168.833,113.274 ; 168.757,153.35 168.833,153.274 ; 168.757,193.35 168.833,193.274 ; 168.776,35.424 168.776,34.906 169.417,34.265 169.722,34.265 169.797,34.189 169.797,34.188 v1(169.773,34.163) ; 168.776,75.424 168.776,74.906 169.417,74.265 169.722,74.265 169.797,74.189 169.797,74.188 v1(169.773,74.163) ; 168.776,115.424 168.776,114.906 169.417,114.265 169.722,114.265 169.797,114.189 169.797,114.188 v1(169.773,114.163) ; 168.776,155.424 168.776,154.906 169.417,154.265 169.722,154.265 169.797,154.189 169.797,154.188 v1(169.773,154.163) ; 168.776,195.424 168.776,194.906 169.417,194.265 169.722,194.265 169.797,194.189 169.797,194.188 v1(169.773,194.163) ; v1(169.106,42.376) 169.129,42.376 169.671,41.834 169.671,38.811 v1(169.798,38.811) ; v1(169.106,82.376) 169.129,82.376 169.671,81.834 169.671,78.811 v1(169.798,78.811) ; v1(169.106,122.376) 169.129,122.376 169.671,121.834 169.671,118.811 v1(169.798,118.811) ; v1(169.106,162.376) 169.129,162.376 169.671,161.834 169.671,158.811 v1(169.798,158.811) ; v1(169.106,202.376) 169.129,202.376 169.671,201.834 169.671,198.811 v1(169.798,198.811) ; 170.376,43.824 170.376,42.881 v1(171.347,41.91) ; 170.376,83.824 170.376,82.881 v1(171.347,81.91) ; 170.376,123.824 170.376,122.881 v1(171.347,121.91) ; 170.376,163.824 170.376,162.881 v1(171.347,161.91) ; 170.376,203.824 170.376,202.881 v1(171.347,201.91) ; v1@170.408,30.328 170.458,30.378 v1(170.611,30.378) ; v1@170.408,70.328 170.458,70.378 v1(170.611,70.378) ; v1@170.408,110.328 170.458,110.378 v1(170.611,110.378) ; v1@170.408,150.328 170.458,150.378 v1(170.611,150.378) ; v1@170.408,190.328 170.458,190.378 v1(170.611,190.378) ; 171.176,43.824 171.176,43.252 171.734,42.694 172.57,42.694 173.28,41.984 v1@173.28,41.148 ; 171.176,83.824 171.176,83.252 171.734,82.694 172.57,82.694 173.28,81.984 v1@173.28,81.148 ; 171.176,123.824 171.176,123.252 171.734,122.694 172.57,122.694 173.28,121.984 v1@173.28,121.148 ; 171.176,163.824 171.176,163.252 171.734,162.694 172.57,162.694 173.28,161.984 v1@173.28,161.148 ; 171.176,203.824 171.176,203.252 171.734,202.694 172.57,202.694 173.28,201.984 v1@173.28,201.148 ; 171.976,35.424 171.976,34.779 172.233,34.522 174.671,34.522 175.22,33.973 175.22,31.039 175.22,30.062 176.021,29.261 177.189,29.261 v1(178.053,30.124) ; 171.976,75.424 171.976,74.779 172.233,74.522 174.671,74.522 175.22,73.973 175.22,71.039 175.22,70.062 176.021,69.261 177.189,69.261 v1(178.053,70.124) ; 171.976,115.424 171.976,114.779 172.233,114.522 174.671,114.522 175.22,113.973 175.22,111.039 175.22,110.062 176.021,109.261 177.189,109.261 v1(178.053,110.124) ; 171.976,155.424 171.976,154.779 172.233,154.522 174.671,154.522 175.22,153.973 175.22,151.039 175.22,150.062 176.021,149.261 177.189,149.261 v1(178.053,150.124) ; 171.976,195.424 171.976,194.779 172.233,194.522 174.671,194.522 175.22,193.973 175.22,191.039 175.22,190.062 176.021,189.261 177.189,189.261 v1(178.053,190.124) ; 173.52,31.039 173.52,33.034 173.837,33.35 ; 173.52,71.039 173.52,73.034 173.837,73.35 ; 173.52,111.039 173.52,113.034 173.837,113.35 ; 173.52,151.039 173.52,153.034 173.837,153.35 ; 173.52,191.039 173.52,193.034 173.837,193.35 ; v1(175.538,35.585) 175.869,35.585 177.504,37.221 177.799,37.221 ; v1(175.538,75.585) 175.869,75.585 177.504,77.221 177.799,77.221 ; v1(175.538,115.585) 175.869,115.585 177.504,117.221 177.799,117.221 ; v1(175.538,155.585) 175.869,155.585 177.504,157.221 177.799,157.221 ; v1(175.538,195.585) 175.869,195.585 177.504,197.221 177.799,197.221 ; 175.744,40.056 175.776,40.024 174.395,40.024 ; 175.744,80.056 175.776,80.024 174.395,80.024 ; 175.744,120.056 175.776,120.024 174.395,120.024 ; 175.744,160.056 175.776,160.024 174.395,160.024 ; 175.744,200.056 175.776,200.024 174.395,200.024 ; 175.776,38.424 174.732,38.424 174.395,38.76 174.395,40.024 ; 175.776,39.224 177.78,39.224 ; 175.776,40.824 177.197,40.824 177.596,40.425 177.799,40.222 ; 175.776,78.424 174.732,78.424 174.395,78.76 174.395,80.024 ; 175.776,79.224 177.78,79.224 ; 175.776,80.824 177.197,80.824 177.596,80.425 177.799,80.222 ; 175.776,118.424 174.732,118.424 174.395,118.76 174.395,120.024 ; 175.776,119.224 177.78,119.224 ; 175.776,120.824 177.197,120.824 177.596,120.425 177.799,120.222 ; 175.776,158.424 174.732,158.424 174.395,158.76 174.395,160.024 ; 175.776,159.224 177.78,159.224 ; 175.776,160.824 177.197,160.824 177.596,160.425 177.799,160.222 ; 175.776,198.424 174.732,198.424 174.395,198.76 174.395,200.024 ; 175.776,199.224 177.78,199.224 ; 175.776,200.824 177.197,200.824 177.596,200.425 177.799,200.222 ; 176.554,55.016 176.656,55.118 ; 176.554,95.016 176.656,95.118 ; 176.554,135.016 176.656,135.118 ; 176.554,175.016 176.656,175.118 ; 176.554,215.016 176.656,215.118 ; 178.241,33.74 178.241,34.879 ; 178.241,73.74 178.241,74.879 ; 178.241,113.74 178.241,114.879 ; 178.241,153.74 178.241,154.879 ; 178.241,193.74 178.241,194.879 ; v1(178.917,43.866) 175.846,43.866 174.395,42.416 174.395,40.024 ; v1(178.917,83.866) 175.846,83.866 174.395,82.416 174.395,80.024 ; v1(178.917,123.866) 175.846,123.866 174.395,122.416 174.395,120.024 ; v1(178.917,163.866) 175.846,163.866 174.395,162.416 174.395,160.024 ; v1(178.917,203.866) 175.846,203.866 174.395,202.416 174.395,200.024 ; v1(185.313,43.764) 185.618,43.764 186.891,45.037 191.431,45.037 192.076,44.393 192.076,43.824 ; v1(185.313,83.764) 185.618,83.764 186.891,85.037 191.431,85.037 192.076,84.393 192.076,83.824 ; v1(185.313,123.764) 185.618,123.764 186.891,125.037 191.431,125.037 192.076,124.393 192.076,123.824 ; v1(185.313,163.764) 185.618,163.764 186.891,165.037 191.431,165.037 192.076,164.393 192.076,163.824 ; v1(185.313,203.764) 185.618,203.764 186.891,205.037 191.431,205.037 192.076,204.393 192.076,203.824 ; v1(186.354,41.935) 186.354,42.24 187.712,43.598 188.158,43.598 189.101,42.655 189.101,41.881 189.358,41.624 189.876,41.624 ; v1(186.354,81.935) 186.354,82.24 187.712,83.598 188.158,83.598 189.101,82.655 189.101,81.881 189.358,81.624 189.876,81.624 ; v1(186.354,121.935) 186.354,122.24 187.712,123.598 188.158,123.598 189.101,122.655 189.101,121.881 189.358,121.624 189.876,121.624 ; v1(186.354,161.935) 186.354,162.24 187.712,163.598 188.158,163.598 189.101,162.655 189.101,161.881 189.358,161.624 189.876,161.624 ; v1(186.354,201.935) 186.354,202.24 187.712,203.598 188.158,203.598 189.101,202.655 189.101,201.881 189.358,201.624 189.876,201.624 ; 186.71,35.472 187.003,35.472 189.155,37.624 189.876,37.624 ; 186.71,75.472 187.003,75.472 189.155,77.624 189.876,77.624 ; 186.71,115.472 187.003,115.472 189.155,117.624 189.876,117.624 ; 186.71,155.472 187.003,155.472 189.155,157.624 189.876,157.624 ; 186.71,195.472 187.003,195.472 189.155,197.624 189.876,197.624 ; 186.724,33.909 187.345,33.288 187.345,30.217 188.142,31.013 189.035,31.013 189.746,31.725 ; 186.724,73.909 187.345,73.288 187.345,70.217 188.142,71.013 189.035,71.013 189.746,71.725 ; 186.724,113.909 187.345,113.288 187.345,110.217 188.142,111.013 189.035,111.013 189.746,111.725 ; 186.724,153.909 187.345,153.288 187.345,150.217 188.142,151.013 189.035,151.013 189.746,151.725 ; 186.724,193.909 187.345,193.288 187.345,190.217 188.142,191.013 189.035,191.013 189.746,191.725 ; 187.013,35.624 188.576,34.061 ; 187.013,75.624 188.576,74.061 ; 187.013,115.624 188.576,114.061 ; 187.013,155.624 188.576,154.061 ; 187.013,195.624 188.576,194.061 ; 187.074,44.306 187.099,44.306 185.288,42.495 185.288,29.997 185.949,29.336 188.131,29.336 v1(188.463,29.667) ; 187.074,84.306 187.099,84.306 185.288,82.495 185.288,69.997 185.949,69.336 188.131,69.336 v1(188.463,69.667) ; 187.074,124.306 187.099,124.306 185.288,122.495 185.288,109.997 185.949,109.336 188.131,109.336 v1(188.463,109.667) ; 187.074,164.306 187.099,164.306 185.288,162.495 185.288,149.997 185.949,149.336 188.131,149.336 v1(188.463,149.667) ; 187.074,204.306 187.099,204.306 ; 187.099,44.306 187.322,44.529 190.571,44.529 191.276,43.824 ; 187.099,84.306 187.322,84.529 190.571,84.529 191.276,83.824 ; 187.099,124.306 187.322,124.529 190.571,124.529 191.276,123.824 ; 187.099,164.306 187.322,164.529 190.571,164.529 191.276,163.824 ; 187.65,38.723 187.74,38.723 189.04,40.024 189.876,40.024 ; 187.65,78.723 187.74,78.723 189.04,80.024 189.876,80.024 ; 187.65,118.723 187.74,118.723 189.04,120.024 189.876,120.024 ; 187.65,158.723 187.74,158.723 189.04,160.024 189.876,160.024 ; 187.65,198.723 187.74,198.723 189.04,200.024 189.876,200.024 ; 188.158,41.898 187.65,41.39 187.65,40.423 187.623,40.45 187.206,40.45 186.71,39.954 186.71,37.172 187.985,37.172 188.742,37.929 188.742,38.633 189.333,39.224 189.876,39.224 190.615,39.224 191.006,38.833 191.006,36.527 190.495,36.015 190.495,34.969 191.333,34.13 191.333,33.274 ; 188.158,81.898 187.65,81.39 187.65,80.423 187.623,80.45 187.206,80.45 186.71,79.954 186.71,77.172 187.985,77.172 188.742,77.929 188.742,78.633 189.333,79.224 189.876,79.224 190.615,79.224 191.006,78.833 191.006,76.527 190.495,76.015 190.495,74.969 191.333,74.13 191.333,73.274 ; 188.158,121.898 187.65,121.39 187.65,120.423 187.623,120.45 187.206,120.45 186.71,119.954 186.71,117.172 187.985,117.172 188.742,117.929 188.742,118.633 189.333,119.224 189.876,119.224 190.615,119.224 191.006,118.833 191.006,116.527 190.495,116.015 190.495,114.969 191.333,114.13 191.333,113.274 ; 188.158,161.898 187.65,161.39 187.65,160.423 187.623,160.45 187.206,160.45 186.71,159.954 186.71,157.172 187.985,157.172 188.742,157.929 188.742,158.633 189.333,159.224 189.876,159.224 190.615,159.224 191.006,158.833 191.006,156.527 190.495,156.015 190.495,154.969 191.333,154.13 191.333,153.274 ; 188.158,201.898 187.65,201.39 187.65,200.423 187.623,200.45 187.206,200.45 186.71,199.954 186.71,197.172 187.985,197.172 188.742,197.929 188.742,198.633 189.333,199.224 189.876,199.224 190.615,199.224 191.006,198.833 191.006,196.527 190.495,196.015 190.495,194.969 191.333,194.13 191.333,193.274 ; 188.295,32.217 188.599,32.217 189.355,32.972 189.355,34.947 v1(188.691,35.611) ; 188.295,72.217 188.599,72.217 189.355,72.972 189.355,74.947 v1(188.691,75.611) ; 188.295,112.217 188.599,112.217 189.355,112.972 189.355,114.947 v1(188.691,115.611) ; 188.295,152.217 188.599,152.217 189.355,152.972 189.355,154.947 v1(188.691,155.611) ; 188.295,192.217 188.599,192.217 189.355,192.972 189.355,194.947 v1(188.691,195.611) ; v1(188.463,189.667) 188.131,189.336 185.949,189.336 185.288,189.997 185.288,202.495 187.099,204.306 ; 189.682,27.661 189.682,28.09 192.841,31.249 192.841,33.63 193.035,33.823 193.035,34.919 192.876,35.077 192.876,35.424 ; 189.682,67.661 189.682,68.09 192.841,71.249 192.841,73.63 193.035,73.823 193.035,74.919 192.876,75.077 192.876,75.424 ; 189.682,107.661 189.682,108.09 192.841,111.249 192.841,113.63 193.035,113.823 193.035,114.919 192.876,115.077 192.876,115.424 ; 189.682,147.661 189.682,148.09 192.841,151.249 192.841,153.63 193.035,153.823 193.035,154.919 192.876,155.077 192.876,155.424 ; 189.682,187.661 189.682,188.09 192.841,191.249 192.841,193.63 193.035,193.823 193.035,194.919 192.876,195.077 192.876,195.424 ; 189.876,36.824 189.876,34.68 190.241,34.315 190.241,34.265 v1(190.139,34.163) ; 189.876,42.424 190.448,42.424 191.514,41.358 191.514,38.39 193.676,36.229 193.676,35.424 193.676,34.858 194.863,33.671 194.863,30.277 195.397,29.743 196.667,29.743 197.302,29.108 197.302,27.661 ; 189.876,76.824 189.876,74.68 190.241,74.315 190.241,74.265 v1(190.139,74.163) ; 189.876,82.424 190.448,82.424 191.514,81.358 191.514,78.39 193.676,76.229 193.676,75.424 193.676,74.858 194.863,73.671 194.863,70.277 195.397,69.743 196.667,69.743 197.302,69.108 197.302,67.661 ; 189.876,116.824 189.876,114.68 190.241,114.315 190.241,114.265 v1(190.139,114.163) ; 189.876,122.424 190.448,122.424 191.514,121.358 191.514,118.39 193.676,116.229 193.676,115.424 193.676,114.858 194.863,113.671 194.863,110.277 195.397,109.743 196.667,109.743 197.302,109.108 197.302,107.661 ; 189.876,156.824 189.876,154.68 190.241,154.315 190.241,154.265 v1(190.139,154.163) ; 189.876,162.424 190.448,162.424 191.514,161.358 191.514,158.39 193.676,156.229 193.676,155.424 193.676,154.858 194.863,153.671 194.863,150.277 195.397,149.743 196.667,149.743 197.302,149.108 197.302,147.661 ; 189.876,196.824 189.876,194.68 190.241,194.315 190.241,194.265 v1(190.139,194.163) ; 189.876,202.424 190.448,202.424 191.514,201.358 191.514,198.39 193.676,196.229 193.676,195.424 193.676,194.858 194.863,193.671 194.863,190.277 195.397,189.743 196.667,189.743 197.302,189.108 197.302,187.661 ; v1(190.012,30.201) 190.622,30.201 191.446,31.025 191.446,33.161 191.333,33.274 ; v1(190.012,70.201) 190.622,70.201 191.446,71.025 191.446,73.161 191.333,73.274 ; v1(190.012,110.201) 190.622,110.201 191.446,111.025 191.446,113.161 191.333,113.274 ; v1(190.012,150.201) 190.622,150.201 191.446,151.025 191.446,153.161 191.333,153.274 ; v1(190.012,190.201) 190.622,190.201 191.446,191.025 191.446,193.161 191.333,193.274 ; 191.257,33.35 191.333,33.274 ; 191.257,73.35 191.333,73.274 ; 191.257,113.35 191.333,113.274 ; 191.257,153.35 191.333,153.274 ; 191.257,193.35 191.333,193.274 ; 191.276,35.424 191.276,34.906 191.917,34.265 192.222,34.265 192.297,34.189 192.297,34.188 v1(192.273,34.163) ; 191.276,75.424 191.276,74.906 191.917,74.265 192.222,74.265 192.297,74.189 192.297,74.188 v1(192.273,74.163) ; 191.276,115.424 191.276,114.906 191.917,114.265 192.222,114.265 192.297,114.189 192.297,114.188 v1(192.273,114.163) ; 191.276,155.424 191.276,154.906 191.917,154.265 192.222,154.265 192.297,154.189 192.297,154.188 v1(192.273,154.163) ; 191.276,195.424 191.276,194.906 191.917,194.265 192.222,194.265 192.297,194.189 192.297,194.188 v1(192.273,194.163) ; 191.276,203.824 190.571,204.529 187.322,204.529 187.099,204.306 ; v1(191.606,42.376) 191.629,42.376 192.171,41.834 192.171,38.811 v1(192.298,38.811) ; v1(191.606,82.376) 191.629,82.376 192.171,81.834 192.171,78.811 v1(192.298,78.811) ; v1(191.606,122.376) 191.629,122.376 192.171,121.834 192.171,118.811 v1(192.298,118.811) ; v1(191.606,162.376) 191.629,162.376 192.171,161.834 192.171,158.811 v1(192.298,158.811) ; v1(191.606,202.376) 191.629,202.376 192.171,201.834 192.171,198.811 v1(192.298,198.811) ; 192.876,43.824 192.876,42.881 v1(193.847,41.91) ; 192.876,83.824 192.876,82.881 v1(193.847,81.91) ; 192.876,123.824 192.876,122.881 v1(193.847,121.91) ; 192.876,163.824 192.876,162.881 v1(193.847,161.91) ; 192.876,203.824 192.876,202.881 v1(193.847,201.91) ; v1@192.908,30.328 192.958,30.378 v1(193.111,30.378) ; v1@192.908,70.328 192.958,70.378 v1(193.111,70.378) ; v1@192.908,110.328 192.958,110.378 v1(193.111,110.378) ; v1@192.908,150.328 192.958,150.378 v1(193.111,150.378) ; v1@192.908,190.328 192.958,190.378 v1(193.111,190.378) ; 193.676,43.824 193.676,43.252 194.234,42.694 195.07,42.694 195.78,41.984 v1@195.78,41.148 ; 193.676,83.824 193.676,83.252 194.234,82.694 195.07,82.694 195.78,81.984 v1@195.78,81.148 ; 193.676,123.824 193.676,123.252 194.234,122.694 195.07,122.694 195.78,121.984 v1@195.78,121.148 ; 193.676,163.824 193.676,163.252 194.234,162.694 195.07,162.694 195.78,161.984 v1@195.78,161.148 ; 193.676,203.824 193.676,203.252 194.234,202.694 195.07,202.694 195.78,201.984 v1@195.78,201.148 ; 194.476,35.424 194.476,34.779 194.733,34.522 197.171,34.522 197.72,33.973 197.72,31.039 197.72,30.062 198.521,29.261 199.689,29.261 v1(200.553,30.124)